# EAGLE board Mk4 Final Panel 8up 2x4 (EAGLE 9.0.1), part 1 of 23
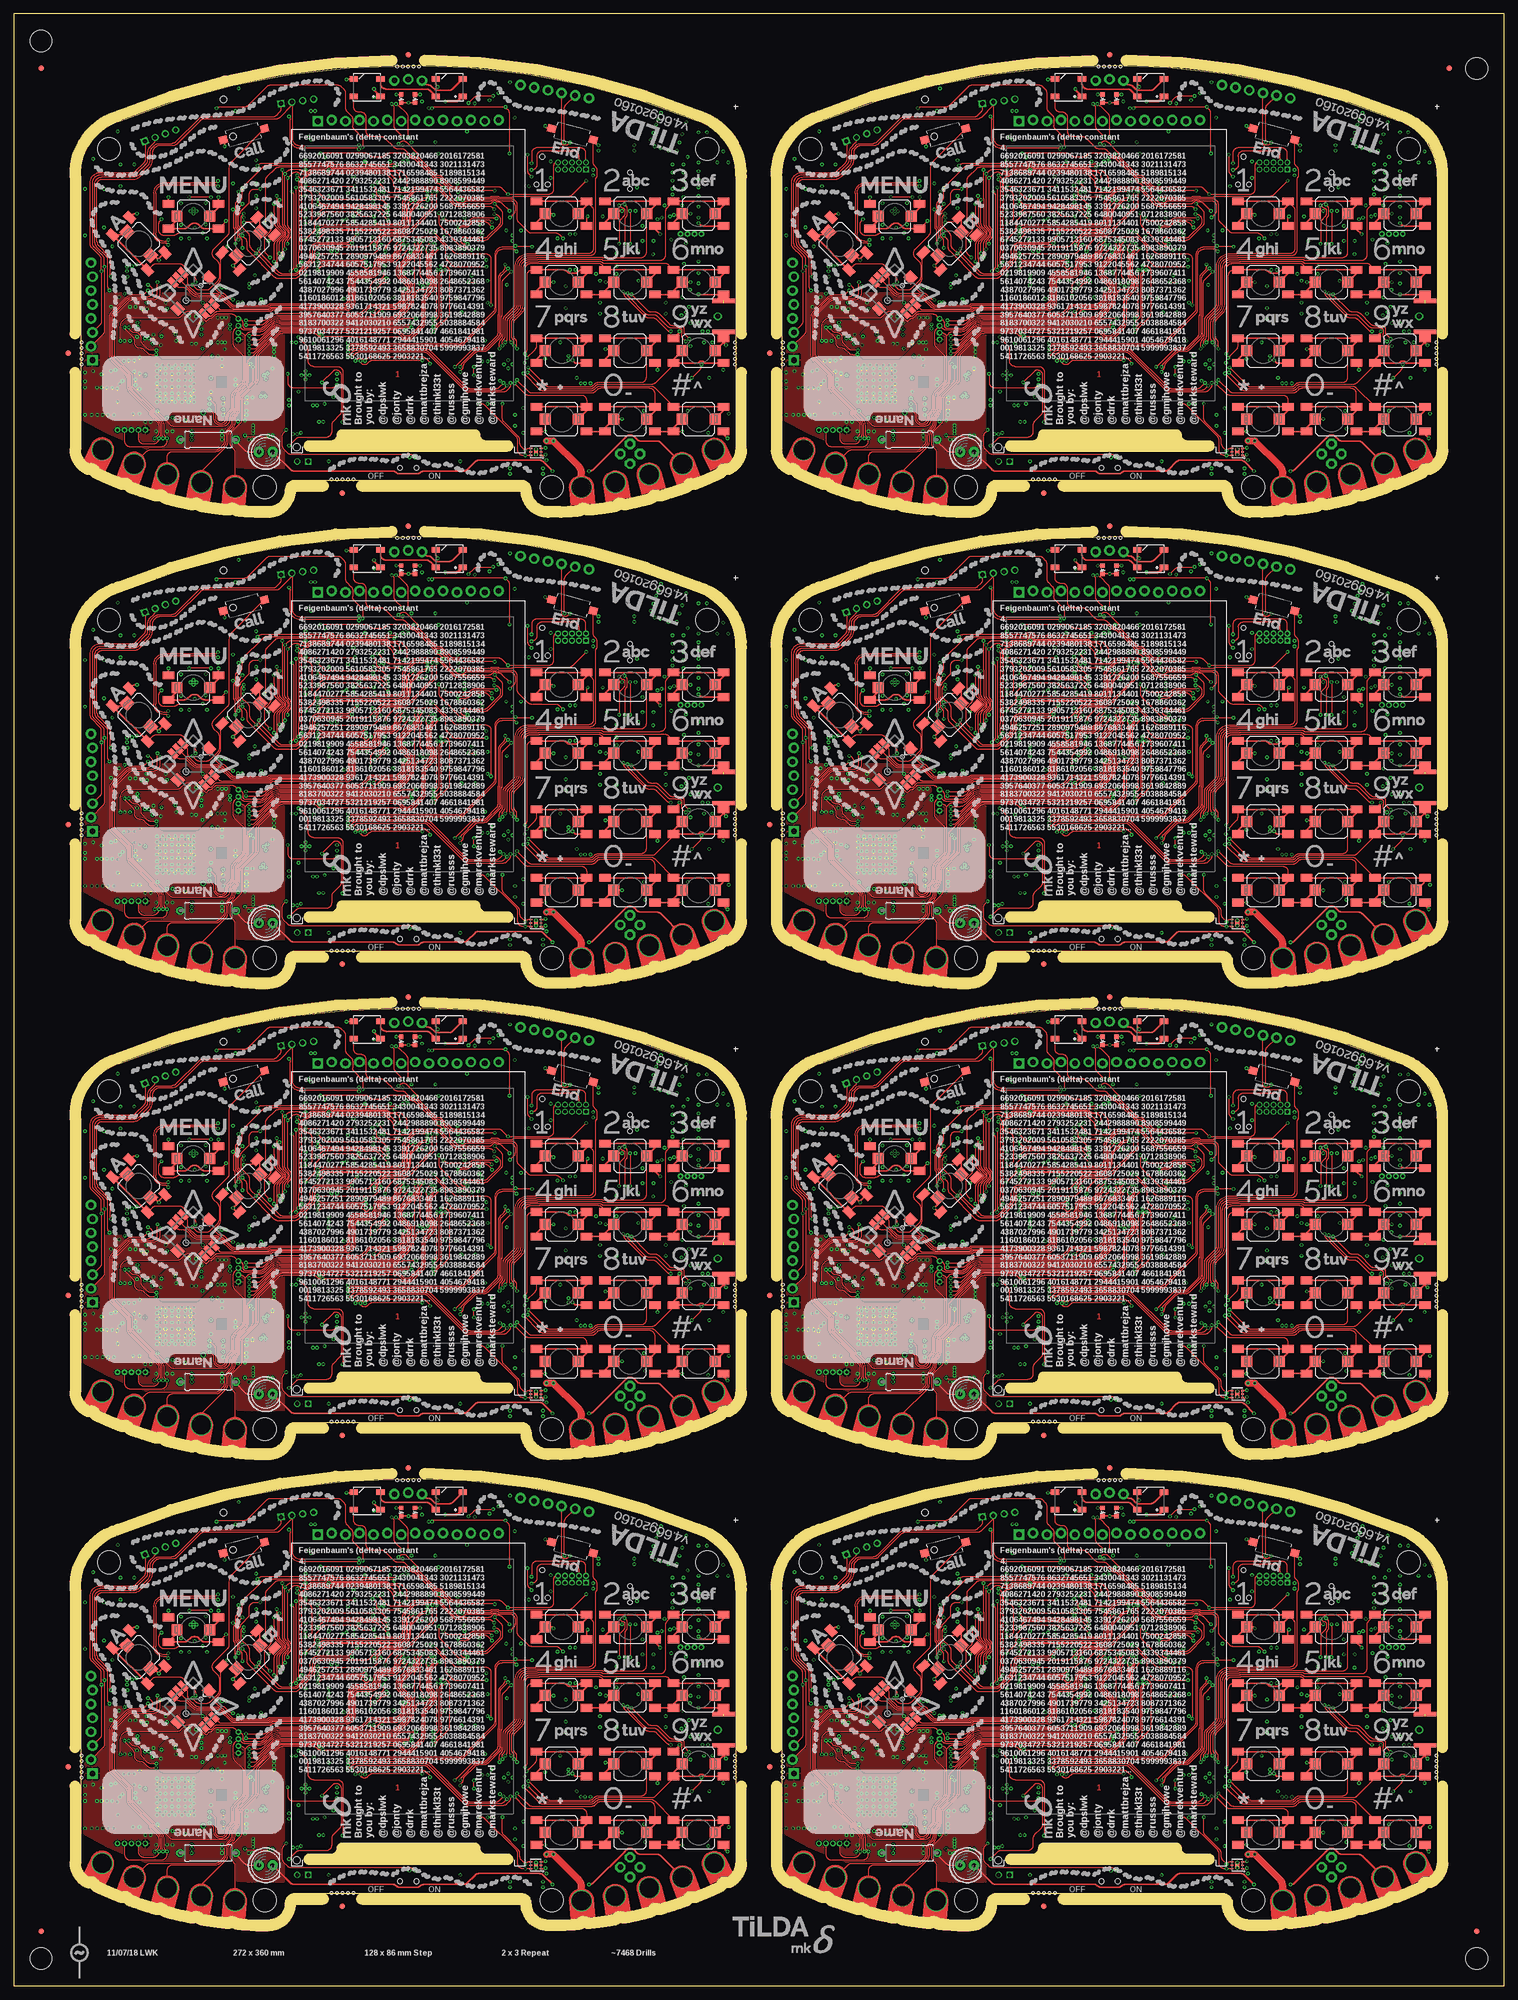
[diagram p0: board, top side]
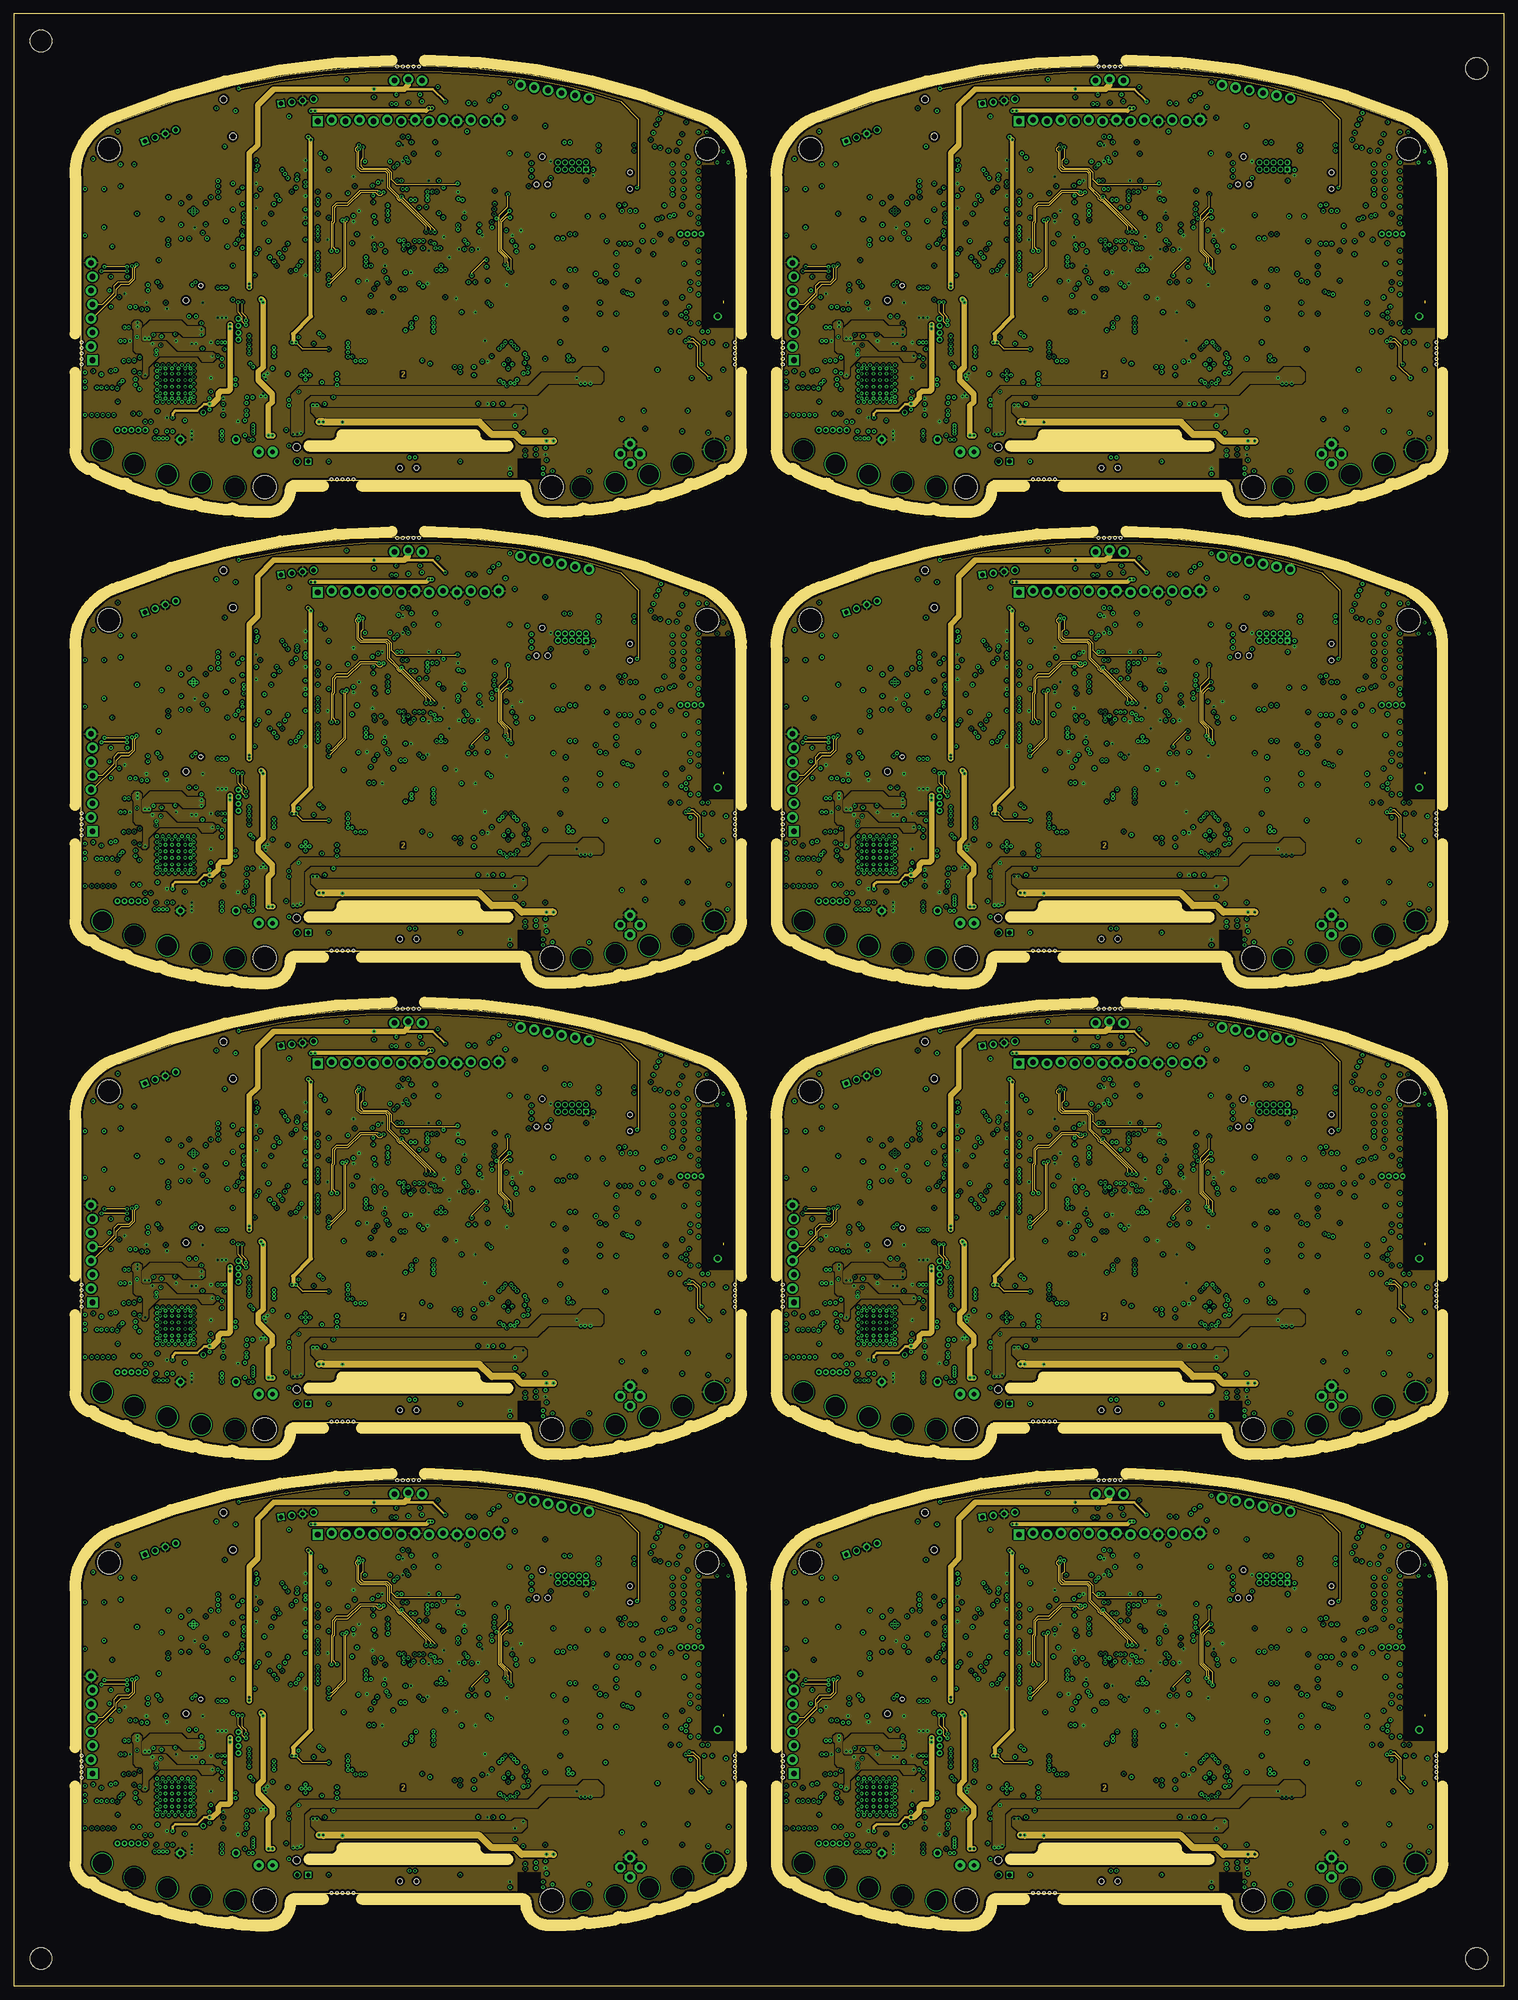
[diagram p1: board, inner layer 3V3@2]
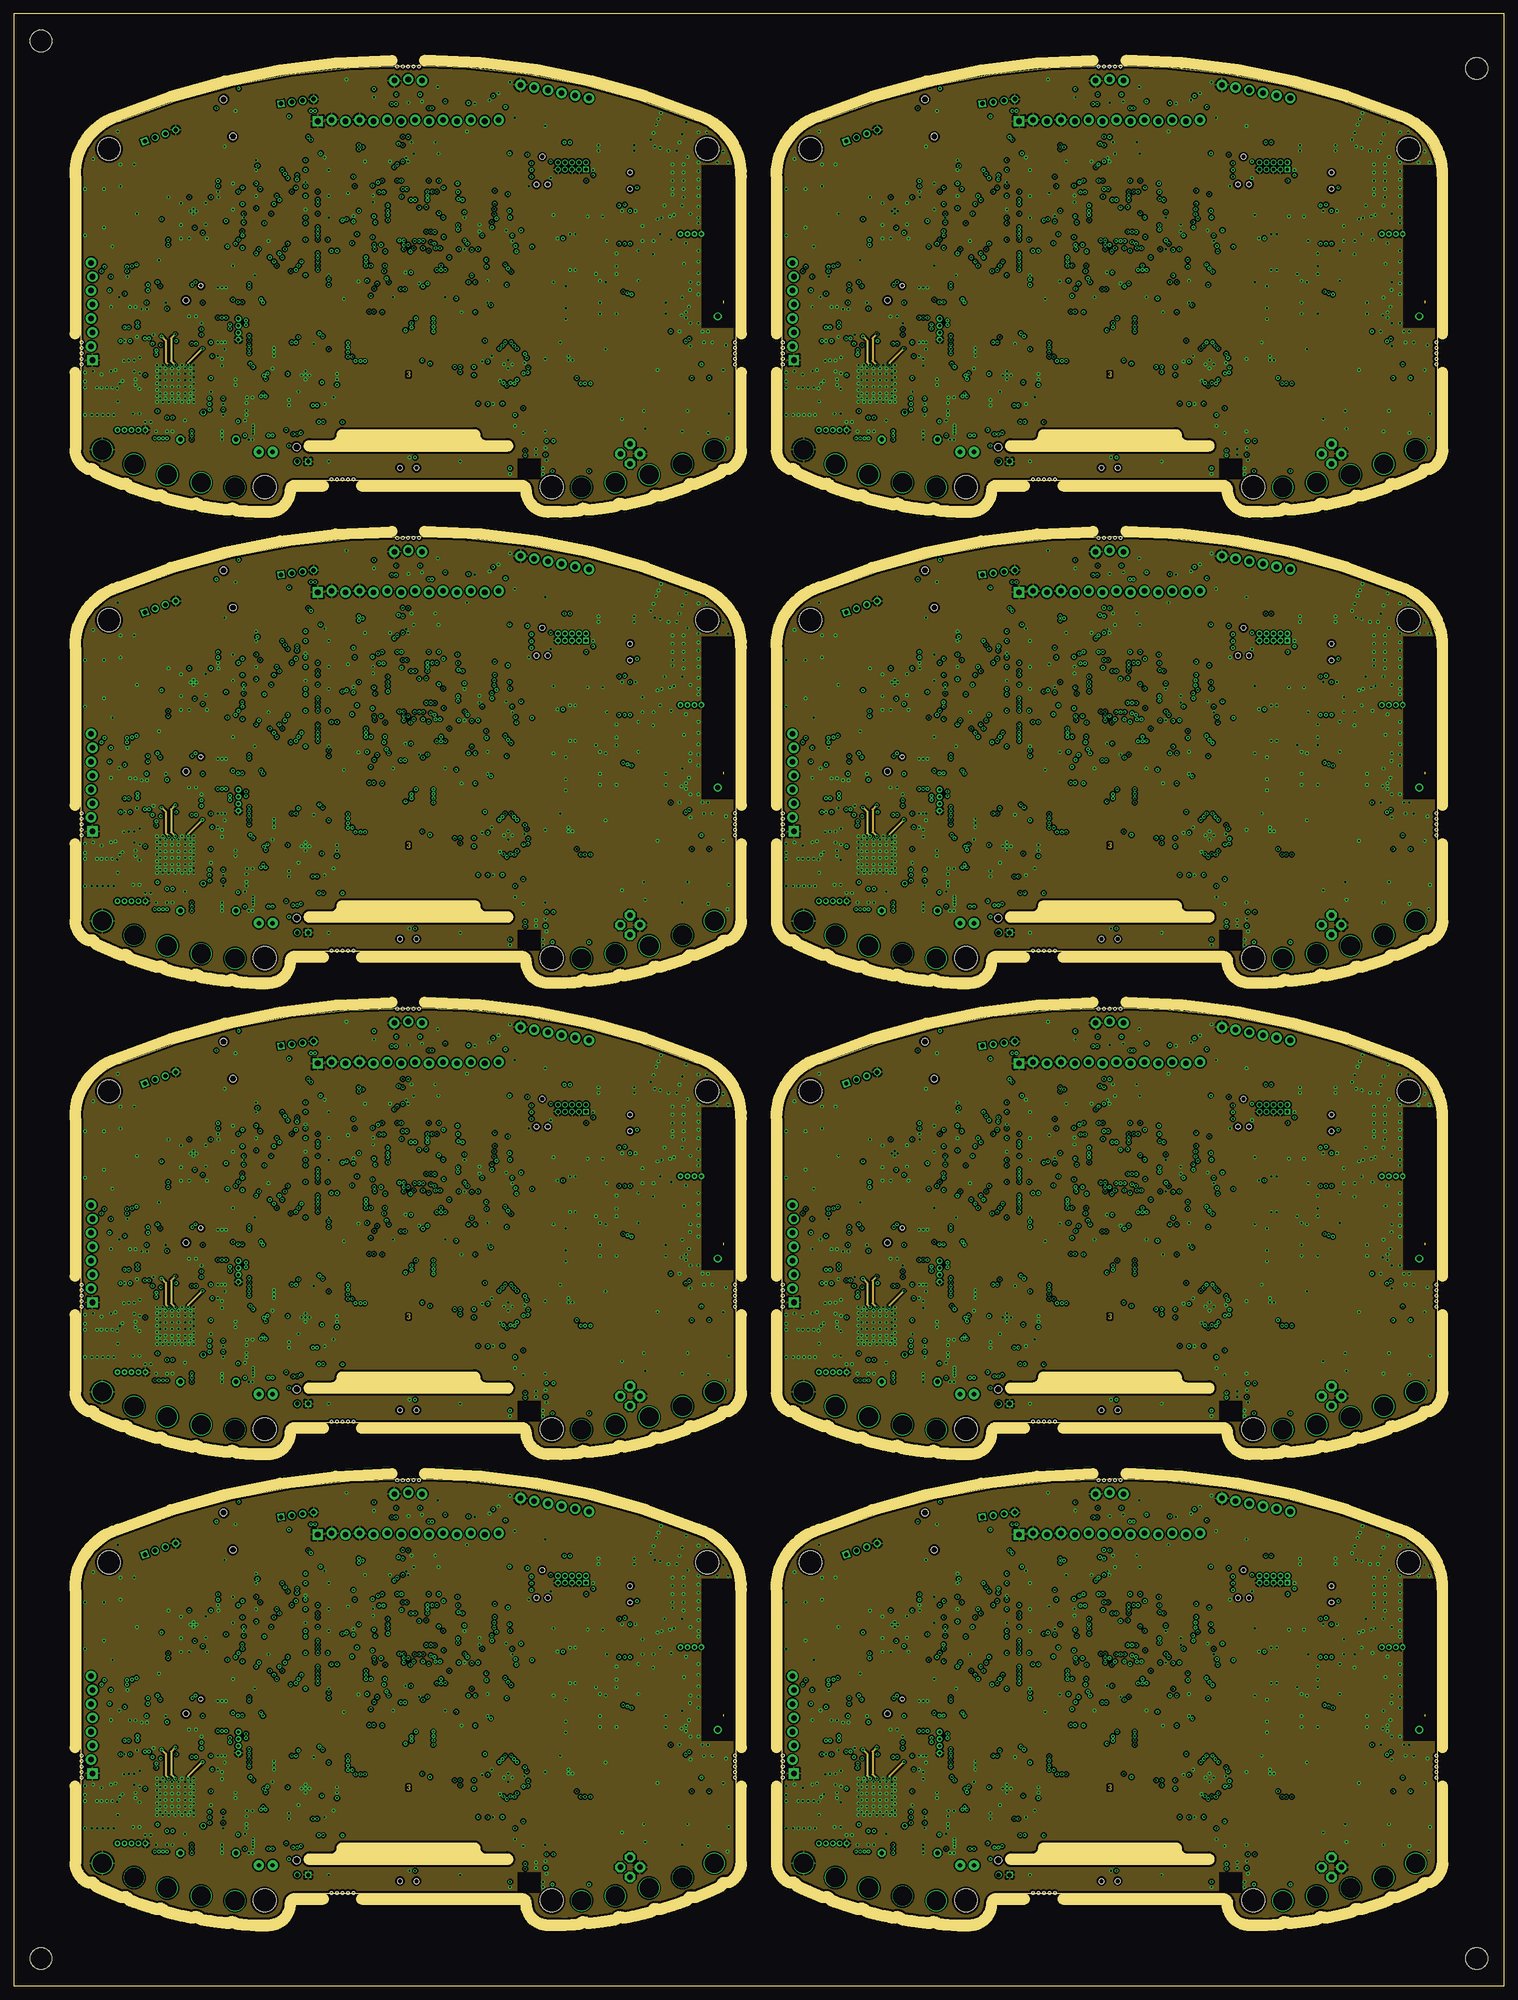
[diagram p2: board, inner layer GND@3]
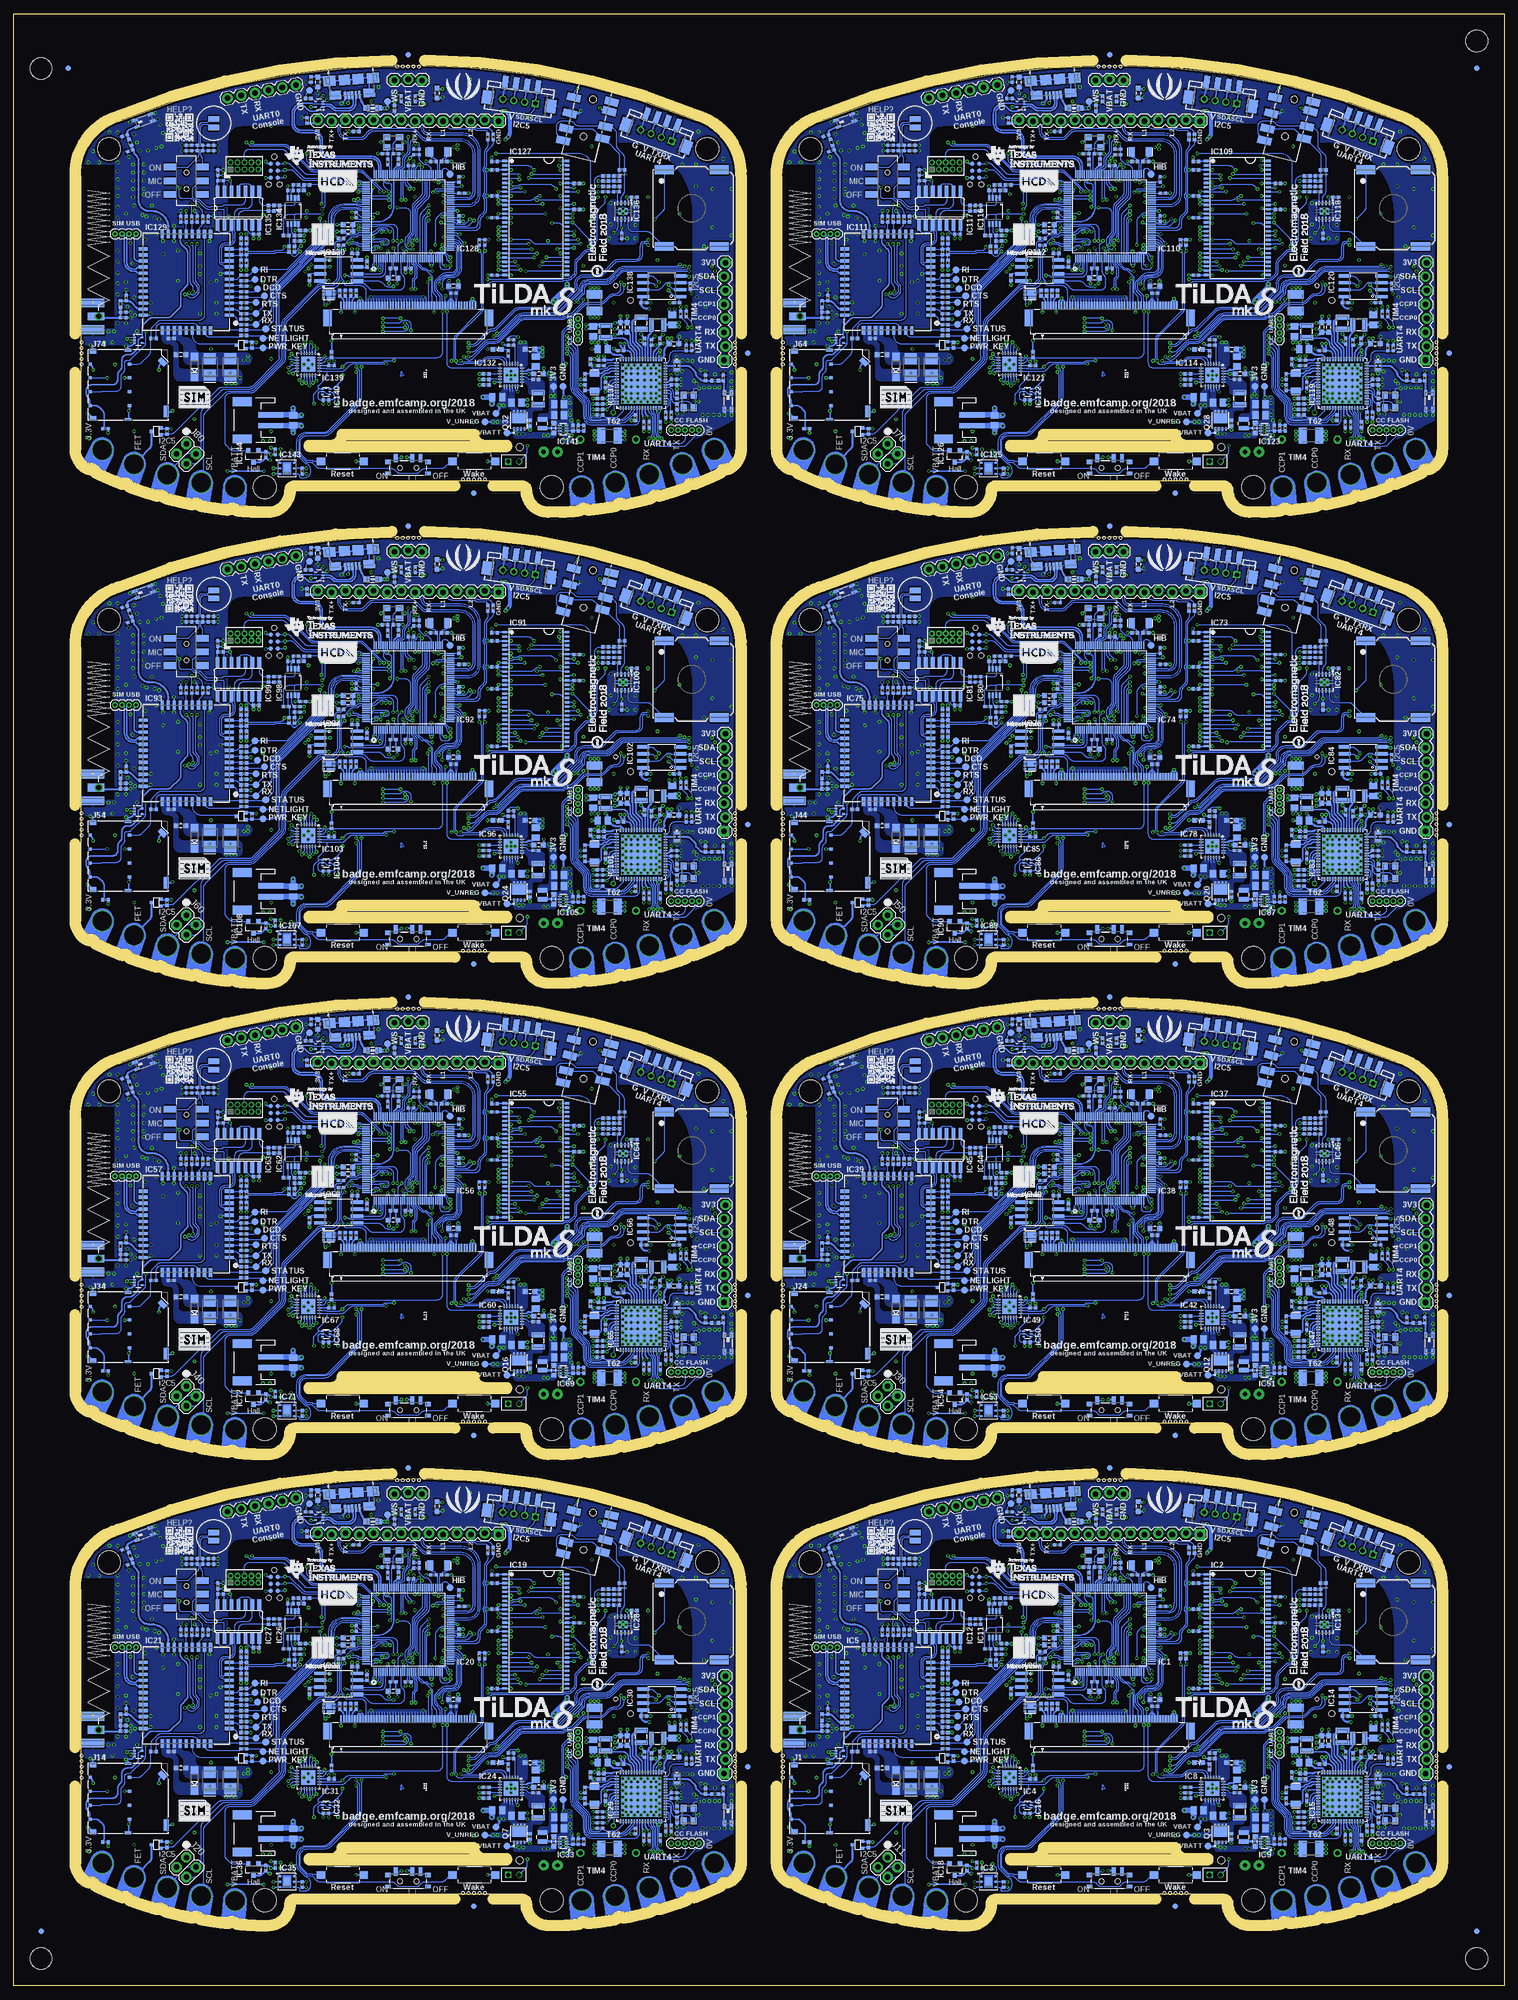
[diagram p3: board, bottom side, seen from below]

Size 272 x 360 mm. Coordinates in mm from the lower left corner, seen from the top.
Outline: 0,0 272,0 272,360 0,360 0,0
Copper layers (1+2*15+16): Top 0.035mm / dielectric 0.22mm / 3V3@2 0.017mm / dielectric 1mm / GND@3 0.017mm / dielectric 0.22mm / Bottom 0.035mm
Design rules "little015mm  Round 4layer Newbury *": minimum track width 0.15mm, minimum drill 0.3mm, track to track 0.15mm, track to pad 0.15mm, pad to pad 0.15mm, via to via 0.15mm, smd to smd 0.15mm, copper to edge 0.4mm, drill to drill 0.3mm, minimum pad ring 0.15mm, minimum via ring 0.15mm, stop-mask expansion 0.1mm, vias tented up to drill 0.6mm, thermal gap 14mil
Net classes: 1 50R Single: width 0.4 mm, clearance 0.4 mm to class 0, clearance 0.4 mm; 2 90R Diff: width 0.25 mm, clearance 0.25 mm to class 0, clearance 0.4 mm to class 1, clearance 0.15 mm; 3 100R Diff: width 0.22 mm, clearance 0.25 mm to class 0, clearance 0.4 mm to class 1, clearance 0.25 mm to class 2, clearance 0.15 mm; 4 Audio: width 0.2 mm, clearance 0.25 mm to class 0, clearance 0.4 mm to class 1, clearance 0.25 mm to class 2, clearance 0.25 mm to class 3, clearance 0.15 mm
Holes 4 mm at 5,5 5,355 267,350 267,5
bRestrict: area 23.1,41.4 to 23.7,42.1; area 151.1,41.4 to 151.7,42.1; area 23.1,127.4 to 23.7,128.1; area 151.1,127.4 to 151.7,128.1; area 23.1,213.4 to 23.7,214.1; area 151.1,213.4 to 151.7,214.1; area 23.1,299.4 to 23.7,300.1; area 151.1,299.4 to 151.7,300.1